# KiCad board microsdmapper.kicad_pcb
title: microSDMapper v1.1; date: 2023-04-21; rev: 1.1; company: The Retro Hacker; note: Original circuit by Luciano Sturaro; note: Reloaded by Cristiano Goncalves; note: microSDMapper v1.1
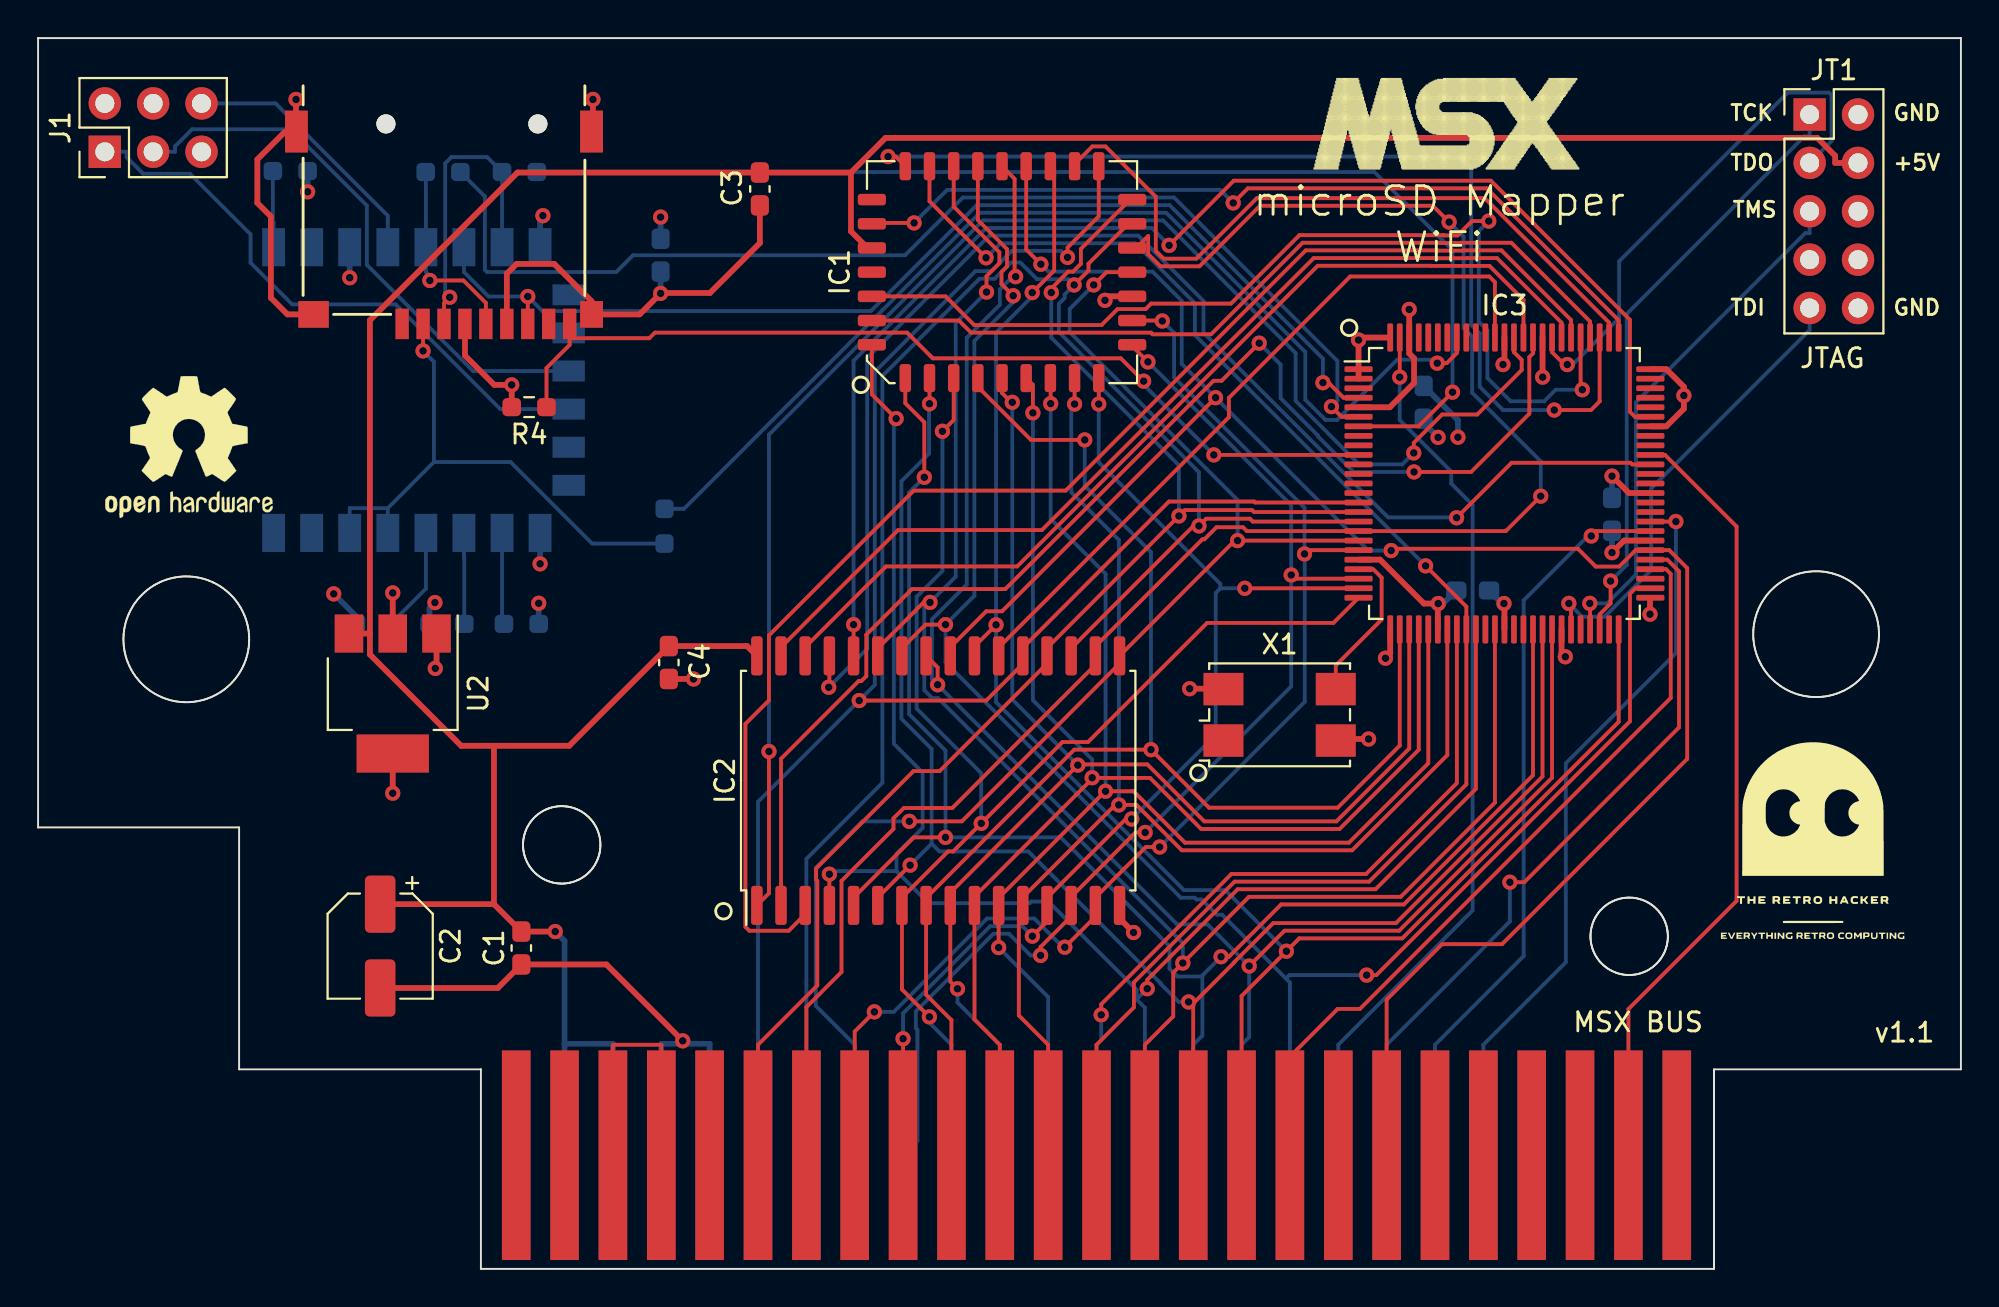
[diagram p0: board, top side]
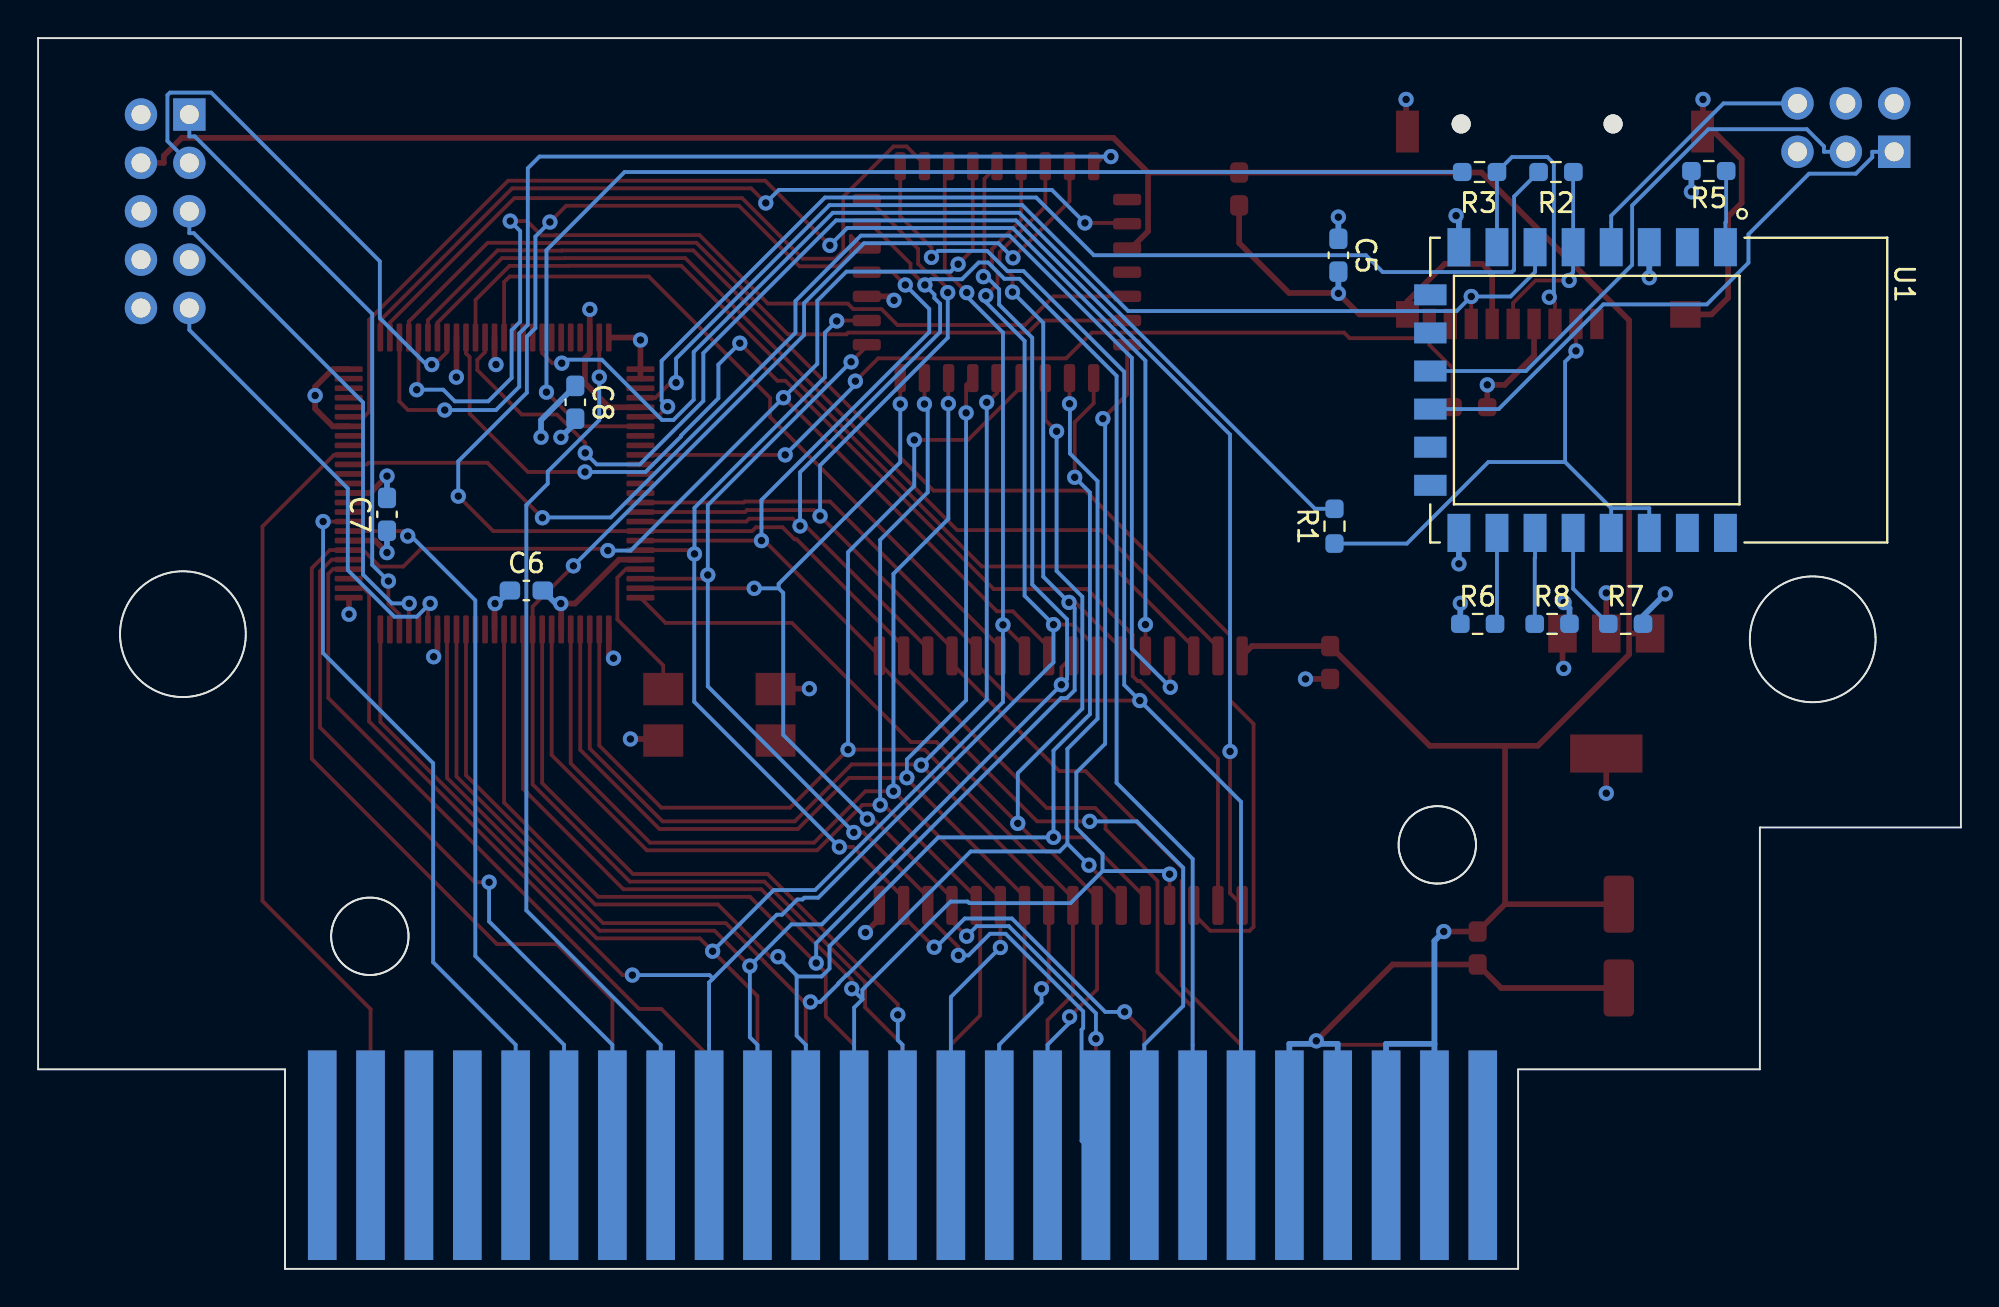
[diagram p1: board, bottom side, seen from below]

Outline 101 x 64.62 mm; copper layers: Top, In1.Cu (plane), In2.Cu (plane), Bottom. Coordinates in mm from the lower left corner of the outline.
Stack: Top 0.035mm / dielectric 0.1mm FR4 er 4.5 / In1.Cu 0.035mm / dielectric 1.24mm FR4 er 4.5 / In2.Cu 0.035mm / dielectric 0.1mm FR4 er 4.5 / Bottom 0.035mm

## Placement (name value [footprint] x y rotation side)
C1  0.1uF  [C_0603_1608Metric_Pad1.08x0.95mm_HandSolder]  25.39 16.85 90 top
C2  100uF  [CP_Elec_5x4.5]  17.97 16.95 270 top
C3  0.1uF  [C_0603_1608Metric_Pad1.08x0.95mm_HandSolder]  37.91 56.7 270 top
C4  0.1uF  [C_0603_1608Metric_Pad1.08x0.95mm_HandSolder]  33.13 31.84 270 top
C5  0.1uF  [C_0603_1608Metric_Pad1.08x0.95mm_HandSolder]  32.7 53.22 270 bottom
C6  0.1uF  [C_0603_1608Metric_Pad1.08x0.95mm_HandSolder]  75.35 35.62 180 bottom
C7  0.1uF  [C_0603_1608Metric_Pad1.08x0.95mm_HandSolder]  82.67 39.62 90 bottom
C8  0.1uF  [C_0603_1608Metric_Pad1.08x0.95mm_HandSolder]  72.78 45.5 270 bottom
GLOGO  LOGO  [TRH]  93.25 22.54 0 top
IC1  M29F010  [PLCC-32_11.4x14.0mm_P1.27mm]  50.63 52.33 90 top
IC2  HM628512  [SSOP-32_11.305x20.495mm_P1.27mm]  47.28 25.64 90 top
IC3  XC95144XL_TQ100  [VQFP-100_14x14mm_P0.5mm]  77.02 41.24 0 top
J1  Conn_02x03_Odd_Even  [PinHeader_2x03_P2.54mm_Vertical]  3.51 58.65 90 top
J2  Micro_SD_Card_Det1  [Conn_uSDcard]  21.32 60.11 180 top
JT1  JTAG1A  [PinHeader_2x05_P2.54mm_Vertical]  93.06 60.61 0 top
LOGO_MSX  -  [LOGO_MSX]  65.95 63.42 0 top
MSX BUS  MSX_SLOT_EDGE-CON  [msx_cartridge]  55.6 5.84 0 top
OSHW  -  [OSHW-Logo2_9.8x8mm_SilkScreen]  7.93 43.16 0 top
R1  1K  [R_0603_1608Metric_Pad0.98x0.95mm_HandSolder]  32.9 38.99 90 bottom
R2  1K  [R_0603_1608Metric_Pad0.98x0.95mm_HandSolder]  21.27 57.59 0 bottom
R3  1K  [R_0603_1608Metric_Pad0.98x0.95mm_HandSolder]  25.28 57.59 0 bottom
R4  4.7K  [R_0603_1608Metric_Pad0.98x0.95mm_HandSolder]  25.79 45.24 180 top
R5  10K  [R_0603_1608Metric_Pad0.98x0.95mm_HandSolder]  13.24 57.64 0 bottom
R6  1K  [R_0603_1608Metric_Pad0.98x0.95mm_HandSolder]  25.38 33.87 180 bottom
R7  10K  [R_0603_1608Metric_Pad0.98x0.95mm_HandSolder]  17.61 33.87 180 bottom
R8  10K  [R_0603_1608Metric_Pad0.98x0.95mm_HandSolder]  21.47 33.87 180 bottom
U1  ESP8266-12E/ESP-12E  [XCVR_ESP8266-12E_ESP-12E]  19.37 46.14 270 bottom
U2  LM1117MP-3.3  [SOT-223-3_TabPin2]  18.63 30.21 270 top
X1  25 Mhz  [Crystal_SMD_7050-4Pin_7.0x5.0mm]  65.21 29.09 0 top

## Library data of the parts
C1 C3-C8 = -: Description: Unpolarized capacitor
C2 = -: Description: Polarized capacitor
J1 = -: Description: Generic connector, double row, 02x03, odd/even pin numbering scheme (row 1 odd numbers, row 2 even numbers), script generated (kicad-library-utils/schlib/autogen/connector/)
J2 = -: Description: Micro SD Card Socket with one card detection pin
MSX BUS = -: Description: MSX-compatible edge-connector for the cartridge slots used in the MSX-standard.; MPN: n/a; Manufacturer: n/a
R1-R8 = -: Description: Resistor
U1 = -: MANUFACTURER: AI-Thinker
U2 = -: Description: 800mA Low-Dropout Linear Regulator, 3.3V fixed output, SOT-223

## Footprints (pads in the part's own frame, mm; a bottom-side part is the same pattern mirrored in y, then rotated)
C_0603_1608Metric_Pad1.08x0.95mm_HandSolder
  rrect 1.075x0.95 smd: 1(-0.863,0) 2(0.863,0)
Conn_uSDcard
  round 1 hole 1 unplated: (-4.93,0) (3.05,0)
  rect 0.7x1.6 smd: 1(2.2,10.5) 2(1.1,10.5) 3(0,10.5) 4(-1.1,10.5) 5(-2.2,10.5) 6(-3.3,10.5) 7(-4.4,10.5) 8(-5.5,10.5) 9(-6.6,10.5)
  rect 1.2x1.4 smd: 6(-7.75,10)
  rect 1.2x2.2 smd: 6(-7.75,0.4) 6(7.75,0.4)
  rect 1.6x1.4 smd: 6(6.85,10)
CP_Elec_5x4.5
  rrect 3x1.6 smd: 1(-2.2,0) 2(2.2,0)
Crystal_SMD_7050-4Pin_7.0x5.0mm
  rect 2.1x1.7 smd: 1(-2.95,-1.35) 2(2.95,-1.35) 3(2.95,1.35) 4(-2.95,1.35)
msx_cartridge
  rect 1.5x11 smd far side: 1(30.48,0.127) 3(27.94,0.127) 5(25.4,0.127) 7(22.86,0.127) 9(20.32,0.127) 11(17.78,0.127) 13(15.24,0.127) 15(12.7,0.127) 17(10.16,0.127) 19(7.62,0.127) 21(5.08,0.127) 23(2.54,0.127) 25(0,0.127) 27(-2.54,0.127) 29(-5.08,0.127) 31(-7.62,0.127) 33(-10.16,0.127) 35(-12.7,0.127) 37(-15.24,0.127) 39(-17.78,0.127) 41(-20.32,0.127) 43(-22.86,0.127) 45(-25.4,0.127) 47(-27.94,0.127) 49(-30.48,0.127)
  rect 1.5x11 smd: 2(30.48,0.127) 4(27.94,0.127) 6(25.4,0.127) 8(22.86,0.127) 10(20.32,0.127) 12(17.78,0.127) 14(15.24,0.127) 16(12.7,0.127) 18(10.16,0.127) 20(7.62,0.127) 22(5.08,0.127) 24(2.54,0.127) 26(0,0.127) 28(-2.54,0.127) 30(-5.08,0.127) 32(-7.62,0.127) 34(-10.16,0.127) 36(-12.7,0.127) 38(-15.24,0.127) 40(-17.78,0.127) 42(-20.32,0.127) 44(-22.86,0.127) 46(-25.4,0.127) 48(-27.94,0.127) 50(-30.48,0.127)
PinHeader_2x03_P2.54mm_Vertical
  rect 1.7x1.7 hole 1: 1(0,0)
  oval 1.7x1.7 hole 1: 2(2.54,0) 3(0,-2.54) 4(2.54,-2.54) 5(0,-5.08) 6(2.54,-5.08)
PinHeader_2x05_P2.54mm_Vertical
  rect 1.7x1.7 hole 1: 1(0,0)
  oval 1.7x1.7 hole 1: 2(2.54,0) 3(0,-2.54) 4(2.54,-2.54) 5(0,-5.08) 6(2.54,-5.08) 7(0,-7.62) 8(2.54,-7.62) 9(0,-10.16) 10(2.54,-10.16)
PLCC-32_11.4x14.0mm_P1.27mm
  rrect 0.6x1.475 smd: 1(0,6.838) 2(-1.27,6.838) 3(-2.54,6.838) 4(-3.81,6.838) 14(-3.81,-6.838) 15(-2.54,-6.838) 16(-1.27,-6.838) 17(0,-6.838) 18(1.27,-6.838) 19(2.54,-6.838) 20(3.81,-6.838) 30(3.81,6.838) 31(2.54,6.838) 32(1.27,6.838)
  rrect 1.475x0.6 smd: 5(-5.562,5.08) 6(-5.562,3.81) 7(-5.562,2.54) 8(-5.562,1.27) 9(-5.562,0) 10(-5.562,-1.27) 11(-5.562,-2.54) 12(-5.562,-3.81) 13(-5.562,-5.08) 21(5.562,-5.08) 22(5.562,-3.81) 23(5.562,-2.54) 24(5.562,-1.27) 25(5.562,0) 26(5.562,1.27) 27(5.562,2.54) 28(5.562,3.81) 29(5.562,5.08)
R_0603_1608Metric_Pad0.98x0.95mm_HandSolder
  rrect 0.975x0.95 smd: 1(-0.912,0) 2(0.912,0)
SOT-223-3_TabPin2
  rect 2x1.5 smd: 1(-3.15,2.3) 2(-3.15,0) 3(-3.15,-2.3)
  rect 2x3.8 smd: 2(3.15,0)
SSOP-32_11.305x20.495mm_P1.27mm
  rrect 2.05x0.6 smd: 1(-6.55,9.525) 2(-6.55,8.255) 3(-6.55,6.985) 4(-6.55,5.715) 5(-6.55,4.445) 6(-6.55,3.175) 7(-6.55,1.905) 8(-6.55,0.635) 9(-6.55,-0.635) 10(-6.55,-1.905) 11(-6.55,-3.175) 12(-6.55,-4.445) 13(-6.55,-5.715) 14(-6.55,-6.985) 15(-6.55,-8.255) 16(-6.55,-9.525) 17(6.55,-9.525) 18(6.55,-8.255) 19(6.55,-6.985) 20(6.55,-5.715) 21(6.55,-4.445) 22(6.55,-3.175) 23(6.55,-1.905) 24(6.55,-0.635) 25(6.55,0.635) 26(6.55,1.905) 27(6.55,3.175) 28(6.55,4.445) 29(6.55,5.715) 30(6.55,6.985) 31(6.55,8.255) 32(6.55,9.525)
VQFP-100_14x14mm_P0.5mm
  rrect 1.475x0.3 smd: 1(-7.662,6) 2(-7.662,5.5) 3(-7.662,5) 4(-7.662,4.5) 5(-7.662,4) 6(-7.662,3.5) 7(-7.662,3) 8(-7.662,2.5) 9(-7.662,2) 10(-7.662,1.5) 11(-7.662,1) 12(-7.662,0.5) 13(-7.662,0) 14(-7.662,-0.5) 15(-7.662,-1) 16(-7.662,-1.5) 17(-7.662,-2) 18(-7.662,-2.5) 19(-7.662,-3) 20(-7.662,-3.5) 21(-7.662,-4) 22(-7.662,-4.5) 23(-7.662,-5) 24(-7.662,-5.5) 25(-7.662,-6) 51(7.662,-6) 52(7.662,-5.5) 53(7.662,-5) 54(7.662,-4.5) 55(7.662,-4) 56(7.662,-3.5) 57(7.662,-3) 58(7.662,-2.5) 59(7.662,-2) 60(7.662,-1.5) 61(7.662,-1) 62(7.662,-0.5) 63(7.662,0) 64(7.662,0.5) 65(7.662,1) 66(7.662,1.5) 67(7.662,2) 68(7.662,2.5) 69(7.662,3) 70(7.662,3.5) 71(7.662,4) 72(7.662,4.5) 73(7.662,5) 74(7.662,5.5) 75(7.662,6)
  rrect 0.3x1.475 smd: 26(-6,-7.662) 27(-5.5,-7.662) 28(-5,-7.662) 29(-4.5,-7.662) 30(-4,-7.662) 31(-3.5,-7.662) 32(-3,-7.662) 33(-2.5,-7.662) 34(-2,-7.662) 35(-1.5,-7.662) 36(-1,-7.662) 37(-0.5,-7.662) 38(0,-7.662) 39(0.5,-7.662) 40(1,-7.662) 41(1.5,-7.662) 42(2,-7.662) 43(2.5,-7.662) 44(3,-7.662) 45(3.5,-7.662) 46(4,-7.662) 47(4.5,-7.662) 48(5,-7.662) 49(5.5,-7.662) 50(6,-7.662) 76(6,7.662) 77(5.5,7.662) 78(5,7.662) 79(4.5,7.662) 80(4,7.662) 81(3.5,7.662) 82(3,7.662) 83(2.5,7.662) 84(2,7.662) 85(1.5,7.662) 86(1,7.662) 87(0.5,7.662) 88(0,7.662) 89(-0.5,7.662) 90(-1,7.662) 91(-1.5,7.662) 92(-2,7.662) 93(-2.5,7.662) 94(-3,7.662) 95(-3.5,7.662) 96(-4,7.662) 97(-4.5,7.662) 98(-5,7.662) 99(-5.5,7.662) 100(-6,7.662)
XCVR_ESP8266-12E_ESP-12E
  rect 2x1.2 smd: 1(-7.5,7) 2(-7.5,5) 3(-7.5,3) 4(-7.5,1) 5(-7.5,-1) 6(-7.5,-3) 7(-7.5,-5) 8(-7.5,-7) 15(7.5,-7) 16(7.5,-5) 17(7.5,-3) 18(7.5,-1) 19(7.5,1) 20(7.5,3) 21(7.5,5) 22(7.5,7)
  rect 1.1x1.7 smd: 9(-5,-8.5) 10(-3,-8.5) 11(-1,-8.5) 12(1,-8.5) 13(3,-8.5) 14(5,-8.5)

## Nets
+3.3V: C5.1 C6.1 C7.1 C8.1 IC3.5 IC3.26 IC3.38 IC3.51 IC3.57 IC3.88 IC3.98 J1.2 J2.4 R4.2 R5.2 R7.2 R8.2 U1.3 U1.8 U2.2 X1.4
+5V: C1.2 C2.1 C3.1 C4.1 IC1.32 IC2.32 JT1.4 MSX BUS.45 MSX BUS.47 U2.3
GND: C1.1 C2.2 C3.2 C4.2 C5.2 C6.2 C7.2 C8.2 IC1.16 IC2.16 IC3.1 IC3.2 IC3.21 IC3.31 IC3.44 IC3.62 IC3.69 IC3.75 IC3.84 IC3.100 J1.4 J2.6 JT1.2 JT1.10 MSX BUS.41 MSX BUS.43 R6.1 U1.15 U2.1 X1.2
/MSX_A0: IC1.12 IC2.12 IC3.32 MSX BUS.28
/MSX_A1: IC1.11 IC2.11 IC3.30 MSX BUS.27
/MSX_A2: IC1.10 IC2.10 IC3.29 MSX BUS.30
/MSX_A3: IC1.9 IC2.9 IC3.28 MSX BUS.29
/MSX_A4: IC1.8 IC2.8 IC3.27 MSX BUS.32
/MSX_A5: IC1.7 IC2.7 IC3.25 MSX BUS.31
/MSX_A6: IC1.6 IC2.6 IC3.42 MSX BUS.22
/MSX_A7: IC1.5 IC2.5 IC3.41 MSX BUS.21
/MSX_A8: IC1.27 IC2.27 IC3.37 MSX BUS.24
/MSX_A9: IC1.26 IC2.26 IC3.52 MSX BUS.17
/MSX_A10: IC1.23 IC2.23 IC3.50 MSX BUS.20
/MSX_A11: IC1.25 IC2.25 IC3.43 MSX BUS.19
/MSX_A12: IC1.4 IC2.4 IC3.35 MSX BUS.23
/MSX_A13: IC1.28 IC3.34 MSX BUS.26
/MSX_A14: IC3.33 MSX BUS.25
/MSX_A15: IC3.54 MSX BUS.18
/MSX_D0: IC1.13 IC2.13 IC3.24 MSX BUS.34
/MSX_D1: IC1.14 IC2.14 IC3.23 MSX BUS.33
/MSX_D2: IC1.15 IC2.15 IC3.20 MSX BUS.36
/MSX_D3: IC1.17 IC2.17 IC3.19 MSX BUS.35
/MSX_D4: IC1.18 IC2.18 IC3.18 MSX BUS.38
/MSX_D5: IC1.19 IC2.19 IC3.17 MSX BUS.37
/MSX_D6: IC1.20 IC2.20 IC3.16 MSX BUS.40
/MSX_D7: IC1.21 IC2.21 IC3.15 MSX BUS.39
/MSX_IORQ: IC3.58 MSX BUS.11
/MSX_M1: IC3.59 MSX BUS.9
/MSX_RD: IC1.24 IC2.24 IC3.56 MSX BUS.14
/MSX_RESET: IC3.99 MSX BUS.15
/MSX_SLTSL: IC3.66 MSX BUS.4
/MSX_WR: IC3.55 MSX BUS.13
/RAM_A13: IC2.28 IC3.70
/RAM_A14: IC2.3 IC3.81
/RAM_A15: IC2.31 IC3.82
/RAM_A16: IC2.2 IC3.85
/RAM_A17: IC2.30 IC3.86
/RAM_A18: IC2.1 IC3.87
/RAM_CS: IC2.22 IC3.89
/RAM_WE: IC2.29 IC3.65
/ROM_A14: IC1.29 IC3.78
/ROM_A15: IC1.3 IC3.79
/ROM_A16: IC1.2 IC3.80
/ROM_CS: IC1.22 IC3.77
/ROM_WE: IC1.31 IC3.76
/SD_CD0: IC3.10 J2.9 R4.1
/SD_CS0: IC3.93 R1.2
/SD_MISO: IC3.4 J2.7 U1.6
/SD_MOSI: IC3.7 R3.2
/SD_SCLK: IC3.6 R2.2
Net-(BUS1-SW1): MSX BUS.44 MSX BUS.46
Net-(IC3-PB00_16/GCK1): IC3.22 X1.3
Net-(IC3-TCK): IC3.48 JT1.1
Net-(IC3-TDI): IC3.45 JT1.9
Net-(IC3-TDO): IC3.83 JT1.3
Net-(IC3-TMS): IC3.47 JT1.5
Net-(J1-Pin_1): J1.1 U1.12
Net-(J1-Pin_3): J1.3 U1.11
Net-(J1-Pin_6): J1.6 U1.4
Net-(J2-CLK): J2.5 R2.1 U1.5
Net-(J2-CMD): J2.3 R3.1 U1.7
Net-(J2-DAT3/CD): J2.2 R1.1 U1.19 U1.20
Net-(U1-IO0): R7.1 U1.18
Net-(U1-IO2): R8.1 U1.17
Net-(U1-IO15): R6.2 U1.16
Net-(U1-RESET): R5.1 U1.1

Pads without a net: IC1 1 30; IC3 3 8 9 11 12 13 14 36 39 40 46 49 53 60 61 63 64 67 68 71 72 73 74 90 91 92 94 95 96 97; J1 5; J2 1 8; JT1 6 7 8; MSX BUS 1 2 3 5 6 7 8 10 12 16 42 48 49 50; U1 2 9 10 13 14 21 22; X1 1

## Via types
v1: diameter 0.8, hole 0.4, Top to Bottom, 135 vias

## Routing (per net, layer and track width the routed paths; a pad name or vN(x,y) marks a point on that pad's centre or on a via; arc(x,y) is an arc through that point)
+3.3V: length 41.3
  Top w0.3: X1.4 62.24,30.46 v1(60.49,30.46) ; v1(18.63,35.49) U2.2 ; v1(76.95,47.48) 77.02,47.55 IC3.88 ; U2.2 v1(18.63,24.98) ; IC3.5 71,45.24 72.27,46.51 72.27,47.81 72.02,48.06 IC3.98 72.02,50.37 v1(72.02,50.38) ; IC3.26 71.02,32.31 v1(70.77,32.06) ; v1(82.67,37.61) 83.3,38.24 IC3.57 ; 77,34.83 77.02,34.81 IC3.38 ; IC3.51 84.67,35.22 v1(84.67,34.37) ; R4.2 24.88,46.41 v1(24.88,46.41) 23.96,46.41 22.42,47.95 J2.4
  Bottom w0.3: v1(14.16,56.55) R5.2 ; v1(74.58,43.67) 74.58,44.56 C8.1 ; C6.1 76.22,35.61 77,34.83 ; v1(20.85,34.98) 20.56,34.7 R8.2 ; v1(15.53,35.44) 16.7,34.27 R7.2 ; v1(16.37,52.04) U1.3 ; C7.1 v1(82.67,37.61) ; v1(32.7,55.22) C5.1 ; U1.8 26.37,54.99 26.52,55.14 v1(26.52,55.3)
  vias: v1(77,34.93)
+5V: length 169.2
  Top w0.3: 17.43,33.36 17.43,49.8 25.19,57.56 C3.1 42.7,57.56 ; 17.43,33.36 17.43,32.26 22.22,27.46 23.95,27.46 ; 17.43,33.36 U2.3 ; 42.7,57.56 44.52,59.38 93.46,59.38 94.4,58.44 94.4,58.07 JT1.4 ; 42.7,57.56 42.7,54.47 43.57,53.6 IC1.32 ; 23.95,27.46 23.95,19.15 ; 23.95,27.46 27.9,27.46 C4.1 37.24,32.7 IC2.32 ; v1(27.16,17.71) 25.39,17.71 C1.2 23.95,19.15 ; 23.95,19.15 C2.1
  Bottom w0.3: 27.66,11.82 27.66,17.22 v1(27.16,17.71) ; 27.66,11.82 30.2,11.82 MSX BUS.45 ; 27.66,11.82 MSX BUS.47
GND: length 107.3
  Top w0.3: C2.2 24.15,14.75 C1.1 29.85,15.98 v1(33.86,11.97) ; X1.2 68.24,27.82 v1(69.89,27.82) ; IC1.16 56.25,51.06 v1(56.04,50.85) ; v1(57.54,17.66) 56.81,18.4 IC2.16 ; IC3.2 IC3.1 v1(69.36,48.77) ; IC3.44 80.02,32.34 v1(80.22,32.14) ; IC3.69 85.52,44.24 86.45,45.16 v1(86.45,45.85) 86.45,46.31 85.52,47.24 IC3.75 ; IC3.21 70.49,37.24 72.79,34.93 v1(73.54,34.93) 73.52,34.91 IC3.31 ; IC3.62 83.56,40.74 v1(82.67,41.62) ; C3.2 37.91,53.86 35.29,51.24 32.72,51.24 v1(32.7,51.22) 31.6,50.11 J2.6 29.07,50.8 27.11,52.76 25.13,52.76 24.62,52.25 J2.6 ; v1(29.14,61.4) 29.14,59.79 J2.6 ; J2.6 13.1,50.11 12.23,50.98 12.23,55.25 11.52,55.96 11.52,58.25 12.98,59.71 J2.6 13.55,59.74 v1(13.55,61.4) ; C4.2 34.42,30.97 v1(34.43,30.97) ; U2.1 20.93,31.59 v1(20.86,31.53) ; IC3.100 69.23,48.9 ; v1(79.03,46.82) 79.02,46.83 IC3.84
  Bottom w0.3: v1(73.54,43.66) 72.78,44.41 C8.2 ; C6.2 73.81,34.93 v1(73.54,34.93) ; C5.2 v1(32.7,51.22) ; 33.86,11.82 32.74,11.82 MSX BUS.43 ; 33.86,11.82 35.28,11.82 MSX BUS.41 ; 33.86,11.82 v1(33.86,11.97) ; C7.2 v1(82.67,41.62) ; v1(26.3,34.95) R6.1 ; v1(26.37,37.02) U1.15
/MSX_A0: length 71.7
  Top w0.2: MSX BUS.28 53.06,11.77 51.52,13.31 51.52,18.88 IC2.12 51.73,19.51 56.58,24.36 v1(56.77,24.36) 57.69,24.36 60.08,21.98 69.02,21.98 74.02,26.98 IC3.32 ; v1(54.44,45.41) IC1.12
  Bottom w0.2: v1(54.44,45.41) 54.27,45.23 54.27,40.77 56.77,38.27 56.77,24.36 v1(56.77,24.36)
/MSX_A1: length 72.2
  Top w0.2: IC3.30 73.02,26.54 68.86,22.38 60.24,22.38 57.54,25.08 v1(56.07,25.08) 56.05,25.08 50.46,19.48 IC2.11 v1(50.46,16.87) ; IC1.11 53.19,46.75 v1(53.19,45.43)
  Bottom w0.2: v1(56.07,25.08) 56.07,36.49 53.19,39.38 v1(53.19,45.43) ; v1(50.46,16.87) 53.06,14.27 MSX BUS.27
/MSX_A2: length 71.7
  Top w0.2: v1(55.37,25.79) 55.39,25.76 ; 55.39,25.76 55.41,25.78 58.41,25.78 61.09,23.1 68.36,23.1 72.52,27.26 IC3.29 ; 55.39,25.76 49.19,19.55 IC2.10 49.19,13.1 50.52,11.77 MSX BUS.30 ; v1(52.25,44.94) 52.25,46.42 IC1.10
  Bottom w0.2: v1(55.37,25.79) 55.37,26.75 52.25,29.86 v1(52.25,44.94)
/MSX_A3: length 72.9
  Top w0.2: v1(48.29,14.71) 47.92,15.09 IC2.9 47.92,19.75 v1(54.61,26.45) 54.65,26.49 58.26,26.49 61.26,23.5 68.2,23.5 72.02,27.32 IC3.28 ; IC1.9 50.63,45.98 51.15,45.47 v1(51.17,45.5)
  Bottom w0.2: MSX BUS.29 50.52,11.77 48.29,13.99 v1(48.29,14.71) ; v1(51.17,45.5) 51.17,29.89 v1(54.61,26.45)
/MSX_A4: length 75.8
  Top w0.2: MSX BUS.32 47.98,13.06 46.65,14.39 IC2.8 46.65,19.48 54.43,27.26 v1(58.46,27.26) 61.5,24.21 68.26,24.21 71.52,27.48 IC3.27 ; v1(54.98,43.52) 52.15,43.52 49.36,46.31 IC1.8
  Bottom w0.2: v1(54.98,43.52) 54.98,41.11 58.46,37.63 v1(58.46,27.26)
/MSX_A5: length 70.7
  Top w0.2: IC1.7 48.09,44.57 v1(47.5,43.98) ; IC3.25 68.04,33.92 61.4,33.92 55.15,27.66 53.81,27.66 v1(49.54,23.39) 48.06,21.92 47.8,21.92 45.38,19.5 IC2.7 45.38,14.67 v1(46.82,13.23)
  Bottom w0.2: v1(46.82,13.23) 46.82,12.92 47.98,11.77 MSX BUS.31 ; v1(47.5,43.98) 47.5,36.64 46.15,35.29 46.15,29.42 49.54,26.03 v1(49.54,23.39)
/MSX_A6: length 86.4
  Top w0.2: v1(46.82,45.42) IC1.6 ; 60.68,14.02 v1(60.43,14.02) ; 60.68,14.02 MSX BUS.22 ; 60.68,14.02 60.75,14.02 62.84,16.1 62.84,16.11 64.88,18.16 71.33,18.16 79.02,25.85 IC3.42 ; v1(45.8,21.2) 44.11,19.5 IC2.6
  Bottom w0.2: 46.93,22.33 46.93,27.3 45.35,28.88 45.35,41.36 46.8,42.81 46.8,45.4 v1(46.82,45.42) ; 46.93,22.33 47.35,21.92 52.01,21.92 58.52,15.41 58.55,15.41 58.96,15 58.96,14.97 59.92,14.02 v1(60.43,14.02) ; 46.93,22.33 v1(45.8,21.2)
/MSX_A7: length 88.4
  Top w0.2: v1(47.66,22.66) 46,22.66 42.84,19.49 IC2.5 ; v1(62.14,16.39) 62.55,16.39 65.29,19.13 71.74,19.13 78.52,25.92 IC3.41 ; v1(46.55,41.56) 46.55,44.45 45.55,45.45 IC1.5
  Bottom w0.2: v1(62.14,16.39) 61.16,15.41 61.16,15.35 ; 61.16,15.35 59.85,15.35 59.43,15.77 59.43,16.94 53.71,22.66 v1(47.66,22.66) 47.66,27.21 45.75,29.13 45.75,40.76 v1(46.55,41.56) ; 61.16,15.35 61.16,12.25 60.68,11.77 MSX BUS.21
/MSX_A8: length 94.3
  Top w0.2: IC2.27 44.11,32.58 46.51,34.99 v1(46.85,34.99) ; v1(49.82,51.28) 49.82,52.12 50.49,52.8 50.49,53.38 48.09,55.77 IC1.27 ; IC3.37 76.52,24.48 71.57,19.53 63.6,19.53 v1(60.13,16.06) 59.62,15.55 59.62,13.26 58.14,11.77 MSX BUS.24
  Bottom w0.2: v1(60.13,16.06) 60.13,17.1 47.26,29.97 46.96,29.97 46.55,30.38 46.55,34.69 v1(46.85,34.99) 48.2,36.34 48.2,49.67 v1(49.82,51.28)
/MSX_A9: length 97.4
  Top w0.2: IC1.26 49.36,55.07 50.89,53.54 50.89,52.63 50.6,52.34 50.6,51.71 v1(51.22,51.09) ; IC2.26 45.38,32.59 46.61,33.83 v1(47.66,33.83) ; v1(69.78,15.42) 70.29,15.42 83.62,28.75 83.62,35.45 83.9,35.74 IC3.52
  Bottom w0.2: v1(51.22,51.09) 51.22,50.76 49.18,48.72 49.18,35.34 v1(47.66,33.83) 47.66,31.84 60.02,19.49 60.75,19.49 60.85,19.4 61.12,19.4 61.92,18.6 62.2,18.6 65.55,15.24 ; MSX BUS.17 65.76,15.04 65.55,15.24 ; v1(69.78,15.42) 65.73,15.42 65.55,15.24
/MSX_A10: length 91.2
  Top w0.2: IC3.50 83.02,28.72 71.66,17.36 66.25,17.36 v1(65.57,16.68) 63.22,14.33 MSX BUS.20 ; v1(50.32,33.81) 49.19,32.68 IC2.23 ; v1(52.22,51.26) 53.37,52.41 53.37,57.69 IC1.23
  Bottom w0.2: 50.32,33.81 50.32,49.15 52.22,51.06 v1(52.22,51.26) ; 50.32,33.81 v1(50.32,33.81) ; 50.32,33.81 50.32,29.76 60.19,19.89 62.36,19.89 v1(65.57,16.68)
/MSX_A11: length 91.7
  Top w0.2: IC1.25 51.29,57.23 51.29,52.15 v1(51.35,52.09) ; v1(63.61,15.9) 65.47,17.76 71.49,17.76 79.52,25.79 IC3.43 ; IC2.25 47.25,31.58 v1(47.25,30.67)
  Bottom w0.2: v1(51.35,52.09) 51.18,52.09 50.52,51.43 50.52,50.62 48.78,48.89 48.78,35.93 46.95,34.1 46.95,30.97 v1(47.25,30.67) 59.83,18.09 61.43,18.09 63.61,15.9 v1(63.61,15.9) 63.61,12.16 63.22,11.77 MSX BUS.19
/MSX_A12: length 89.8
  Top w0.2: v1(58.26,14.71) 58.26,15.18 63.01,19.93 70.25,19.93 75.52,25.2 IC3.35 ; v1(45.07,44.64) 43.8,45.92 IC1.4 ; v1(41.57,20.72) IC2.4
  Bottom w0.2: v1(41.57,20.72) 41.73,20.88 45.09,20.88 ; 57.7,14.15 58.14,13.72 MSX BUS.23 ; 57.7,14.15 v1(58.26,14.71) ; 57.7,14.15 57.7,14.66 53.07,19.29 52.17,19.29 52.09,19.2 46.77,19.2 45.09,20.88 ; 45.09,20.88 45.09,21.78 46.46,23.16 46.46,26.06 44.95,27.57 44.95,44.52 v1(45.07,44.64)
/MSX_A13: length 81.5
  Top w0.2: v1(72.88,36.91) 75.02,34.77 IC3.34 75.02,25.44 69.92,20.33 62.85,20.33 57.56,15.05 57.56,13.73 55.6,11.77 MSX BUS.26 ; IC1.28 46.82,56.05 v1(49.79,53.09)
  Bottom w0.2: v1(49.79,53.09) 50.56,53.85 57.62,53.85 60.76,50.7 60.76,49.03 v1(72.88,36.91)
/MSX_A14: length 39.6
  Top w0.2: v1(55.84,13.34) 55.84,13.89 62.68,20.73 69.75,20.73 74.52,25.5 IC3.33
  Bottom w0.2: v1(55.84,13.34) 55.84,12.01 55.6,11.77 MSX BUS.25
/MSX_A15: length 40.7
  Top w0.2: IC3.54 85.51,36.74 85.76,36.49 85.76,29.98 69.43,13.65 68.26,13.65 65.76,11.14 MSX BUS.18
/MSX_D0: length 59.8
  Top w0.2: MSX BUS.34 v1(45.44,12.08) ; v1(52.23,17.47) 53,18.24 IC2.13 53,19.48 57.13,23.62 v1(57.44,23.62) ; v1(63.38,35.73) 69.36,35.73 IC3.24 ; v1(55.71,45.41) IC1.13
  Bottom w0.2: v1(45.44,12.08) 45.44,13.42 50.01,18 51.7,18 v1(52.23,17.47) ; 62.1,35.73 61.86,35.49 61.86,28.04 v1(57.44,23.62) ; 62.1,35.73 v1(63.38,35.73) ; 62.1,35.73 62.1,35.96 55.71,42.35 v1(55.71,45.41)
/MSX_D1: length 61.5
  Top w0.2: v1(58.15,22.91) 57.64,22.91 54.27,19.54 IC2.14 54.27,18.51 52.66,16.9 v1(52.66,16.46) ; v1(58.3,47.62) 57.47,48.45 IC1.14 ; IC3.23 66.02,36.24 v1(65.82,36.43)
  Bottom w0.2: v1(58.15,22.91) 65.82,30.59 v1(65.82,36.43) 65.82,40.09 v1(58.3,47.62) ; v1(52.66,16.46) 52.13,16.46 50.99,17.6 50.18,17.6 46.1,13.52 46.1,12.64 46.19,12.56 46.19,6.72 MSX BUS.33
/MSX_D2: length 66.7
  Top w0.2: v1(58.91,22.15) 58.19,22.15 55.54,19.49 IC2.15 55.54,18.49 v1(53.93,16.89) ; v1(59.05,49.77) 59.03,49.79 IC1.15 ; v1(66.52,37.54) 66.72,37.74 IC3.20 ; v1(43.93,13.49) 42.9,12.46 MSX BUS.36
  Bottom w0.2: v1(59.05,49.77) 59.67,49.15 59.67,46.81 66.52,39.96 v1(66.52,37.54) 66.53,37.53 66.53,29.77 v1(58.91,22.15) ; v1(53.93,16.89) 53.83,16.89 52.33,18.4 49.85,18.4 44.95,13.49 v1(43.93,13.49)
/MSX_D3: length 71.7
  Top w0.2: v1(45.76,23.5) 48.52,23.5 56.81,31.78 IC2.17 62.86,38.24 v1(63,38.24) IC3.19 ; IC1.17 56.12,52.33 v1(55.45,51.66)
  Bottom w0.2: MSX BUS.35 42.9,11.77 40.85,13.81 40.85,21.06 43.29,23.5 v1(45.76,23.5) ; v1(55.45,51.66) 54.19,50.4 54.19,49.18 63,40.37 v1(63,38.24)
/MSX_D4: length 97.5
  Top w0.2: MSX BUS.38 40.36,13.74 42.2,15.59 42.2,20.37 44.93,23.1 44.93,23.65 45.47,24.2 48.02,24.2 55.54,31.71 IC2.18 55.54,32.68 61.16,38.31 61.27,38.31 61.9,38.94 63.29,38.94 63.49,38.74 IC3.18 77.09,38.74 v1(78.93,40.57) ; IC1.18 57.68,53.6 58.31,54.23 58.31,53.28 58.95,52.64 61,52.64 64.18,55.82 73.26,55.82 v1(74.12,54.96)
  Bottom w0.2: v1(74.12,54.96) 74.88,54.2 74.88,49.4 75.33,48.95 75.33,46 78.93,42.4 v1(78.93,40.57)
/MSX_D5: length 94.6
  Top w0.2: IC2.19 54.27,32.58 60.69,39.01 v1(60.98,39.01) 61.36,39.39 63.65,39.39 63.8,39.24 IC3.17 ; v1(54.42,51.66) 55.17,52.41 55.17,52.78 57.27,54.87 IC1.19
  Bottom w0.2: MSX BUS.37 40.36,21.53 44.35,25.52 44.35,46.88 49.45,51.98 50.25,51.98 51.1,52.84 51.59,52.84 52.47,51.96 54.12,51.96 v1(54.42,51.66) 53.92,51.16 53.92,50.97 53.62,50.67 53.62,49.18 60.98,41.83 v1(60.98,39.01)
/MSX_D6: length 74.5
  Top w0.2: IC3.16 63.87,39.74 63.77,39.84 60.23,39.84 v1(59.92,39.53) 53,32.6 IC2.20 53,31.77 47.36,26.14 45.98,26.14 40.87,21.02 40.87,20.43 40.93,20.37 40.93,14.88 37.82,11.77 MSX BUS.40 ; IC1.20 57.36,56.14 54.77,53.55 54.77,52.77 54.36,52.36 54.11,52.36 53.22,51.47 v1(53.22,51.26)
  Bottom w0.2: v1(59.92,39.53) 59.92,42.18 53.22,48.89 v1(53.22,51.26)
/MSX_D7: length 93.1
  Top w0.2: IC3.15 63.93,40.24 63.88,40.29 59.4,40.29 51.73,32.61 IC2.21 51.73,31.76 49.8,29.84 v1(43.13,29.84) ; IC1.21 55.71,55.26 54.07,53.62 v1(54.07,53.11)
  Bottom w0.2: MSX BUS.39 37.82,24.52 v1(43.13,29.84) 43.95,30.66 43.95,47.1 49.24,52.38 50.08,52.38 51.15,53.45 53.73,53.45 v1(54.07,53.11)
/MSX_IORQ: length 39.2
  Top w0.2: v1(81.58,38.48) 81.84,38.74 IC3.58
  Bottom w0.2: MSX BUS.11 73.38,11.77 78.03,16.43 78.03,35.1 81.41,38.48 v1(81.58,38.48)
/MSX_M1: length 38.8
  Top w0.2: v1(86.03,39.24) IC3.59
  Bottom w0.2: MSX BUS.9 75.92,11.77 80.25,16.1 80.25,26.55 86.04,32.34 86.04,37.41 86.03,37.42 v1(86.03,39.24)
/MSX_RD: length 107.8
  Top w0.2: v1(61.85,45.74) 50.63,34.52 49.8,34.52 47.92,32.64 IC2.24 ; v1(52.67,52.75) 51.9,53.52 IC1.24 ; MSX BUS.14 70.84,14.14 73.75,17.05 76.9,17.05 86.62,26.78 86.62,36.79 85.68,37.74 IC3.56 83.91,37.74 83.05,36.87 81.82,36.87 80.88,37.81 71.17,37.81 v1(71.07,37.71)
  Bottom w0.2: v1(71.07,37.71) 69.88,37.71 v1(61.85,45.74) 60.07,47.52 60.07,50.83 58.54,52.36 53.06,52.36 v1(52.67,52.75)
/MSX_RESET: length 47.4
  Top w0.2: v1(71.52,46.82) IC3.99
  Bottom w0.2: MSX BUS.15 68.3,11.77 75.35,18.82 75.35,40.1 74.23,41.23 74.23,41.86 71.52,44.57 v1(71.52,46.82)
/MSX_SLTSL: length 41.5
  Top w0.2: MSX BUS.4 83.54,13.64 89.22,19.32 89.22,38.98 85.45,42.74 IC3.66
/MSX_WR: length 39.2
  Top w0.2: v1(77.31,20.3) 78.07,20.3 86.19,28.43 86.19,36.62 85.58,37.24 IC3.55
  Bottom w0.2: MSX BUS.13 70.84,11.77 77.31,18.24 v1(77.31,20.3)
/RAM_A13: length 70
  Top w0.2: v1(42.84,33.83) IC2.28 ; v1(59.41,53.74) 62.8,57.13 76.31,57.13 83.61,49.83 83.61,45 83.88,44.74 IC3.70
  Bottom w0.2: v1(42.84,33.83) 42.84,47.68 49.8,54.65 58.5,54.65 v1(59.41,53.74)
/RAM_A14: length 72.8
  Top w0.2: IC3.81 80.52,49.82 76.86,53.47 74.91,53.47 74.89,53.46 73.49,53.46 73.48,53.47 66.58,53.47 53.97,40.86 45.99,40.86 38.39,33.26 38.39,29.85 37.15,28.61 37.15,17.96 37.36,17.75 39.43,17.75 40.3,18.62 IC2.3
/RAM_A15: length 52.1
  Top w0.2: IC2.31 39.03,32.64 45.17,38.79 52.72,38.79 67,53.07 73.32,53.07 73.33,53.06 75.06,53.06 75.07,53.07 76.63,53.07 80.02,49.68 IC3.82
/RAM_A16: length 66.5
  Top w0.2: v1(64.14,48.6) 62.17,46.63 61.74,46.63 50.81,35.69 45.9,35.69 43.5,33.3 43.5,31.12 43.24,30.86 43.1,30.86 39.03,26.79 IC2.2 ; v1(72.27,41.84) 75.27,41.84 78.33,44.9 78.33,47.87 78.52,48.06 IC3.85
  Bottom w0.2: v1(72.27,41.84) 69.09,41.84 67.23,43.71 67.23,43.75 65.27,45.71 65.27,47.48 v1(64.14,48.6)
/RAM_A17: length 49.2
  Top w0.2: IC3.86 78.02,50.87 76.24,52.66 73.16,52.66 73.16,52.67 67.22,52.67 51.43,36.88 44.53,36.88 40.3,32.64 IC2.30
/RAM_A18: length 80.2
  Top w0.2: IC2.1 38.39,19.72 v1(38.39,27.17) ; v1(72.26,42.84) 72.26,43.37 73.75,44.86 75.6,44.86 77.93,47.19 77.93,47.72 77.52,48.13 IC3.87
  Bottom w0.2: v1(72.26,42.84) 71.66,42.24 69.39,42.24 66.06,45.57 66.06,48.08 59.09,55.05 49.64,55.05 38.39,43.8 v1(38.39,27.17)
/RAM_CS: length 38.2
  Top w0.2: IC2.22 50.46,32.62 62.55,44.72 62.55,45.73 68.92,52.1 76.23,52.1 76.52,51.81 IC3.89
/RAM_WE: length 71.9
  Top w0.2: IC3.65 83.73,42.24 83.65,42.32 77.4,42.32 v1(74.51,39.44) ; IC2.29 41.57,30.57 v1(41.53,30.54)
  Bottom w0.2: v1(74.51,39.44) 74.49,39.45 70.92,39.45 61.22,49.15 61.22,50.81 57.78,54.25 49.97,54.25 43.55,47.83 43.55,32.56 v1(41.53,30.54)
/ROM_A14: length 54
  Top w0.2: IC3.78 82.02,45.55 82.03,45.55 81.57,45.09 v1(79.64,45.09) ; v1(44.65,58.4) 45.05,58.4 IC1.29
  Bottom w0.2: v1(79.64,45.09) 76.95,45.09 75.73,46.31 75.73,49.11 75.28,49.56 75.28,57.79 74.66,58.4 v1(44.65,58.4)
/ROM_A15: length 42.6
  Top w0.2: IC3.79 81.52,49.74 77.39,53.87 74.74,53.87 74.73,53.86 73.66,53.86 73.65,53.87 66.42,53.87 61.61,49.07 58.54,49.07 58.45,49.16 49.01,49.16 48.37,49.79 IC1.3
/ROM_A16: length 52.5
  Top w0.2: IC3.80 81.02,46.25 v1(81.11,46.16) ; v1(76.2,55.01) 75.31,55.01 74.56,54.26 73.83,54.26 73.81,54.27 66.25,54.27 62.66,50.68 58.46,50.68 58.17,50.39 56.7,50.39 55.86,49.56 49.17,49.56 47.67,51.06 IC1.2
  Bottom w0.2: v1(81.11,46.16) 79.72,46.16 79.11,45.55 77.35,45.55 76.13,46.78 76.13,49.28 75.68,49.73 75.68,54.49 v1(76.2,55.01)
/ROM_CS: length 37.5
  Top w0.2: IC3.77 82.52,49.68 75.98,56.22 64.02,56.22 60.84,53.04 59.12,53.04 58.71,53.45 58.71,56.29 56.07,58.93 55.38,58.93 54.44,58 IC1.22
/ROM_WE: length 44.3
  Top w0.2: v1(46.01,54.92) 43.84,54.92 IC1.31 ; IC3.76 83.02,49.8 76.09,56.73 63.54,56.73 v1(62.78,55.96)
  Bottom w0.2: v1(62.78,55.96) 62.09,56.65 47.75,56.65 v1(46.01,54.92)
/SD_CD0: length 49.2
  Top w0.2: IC3.10 v1(61.76,42.74) ; v1(58.07,46.61) 56.87,47.81 47,47.81 45.65,49.16 32.4,49.16 32.11,48.86 27.92,48.86 ; 27.92,48.86 27.92,48.51 26.7,47.3 R4.1 ; 27.92,48.86 J2.9
  Bottom w0.2: v1(61.76,42.74) 58.07,46.42 v1(58.07,46.61)
/SD_CS0: length 56.5
  Top w0.2: v1(73.49,47.55) 73.99,47.55 74.52,48.08 IC3.93
  Bottom w0.2: v1(73.49,47.55) 73.31,47.73 71.39,47.73 68.22,44.57 67.63,44.57 66.56,45.63 66.56,48.14 59.25,55.45 49.47,55.45 33.93,39.91 R1.2
/SD_MISO: length 57.8
  Top w0.2: IC3.4 68.57,45.74 67.78,46.53 v1(67.49,46.53) ; v1(25.72,51.05) J2.7
  Bottom w0.2: v1(67.49,46.53) 67.49,47.79 59.43,55.85 49.3,55.85 43.74,50.29 26.48,50.29 v1(25.72,51.05) 23.66,51.05 22.37,52.34 U1.6
/SD_MOSI: length 62.9
  Top w0.2: IC3.7 72.5,44.24 v1(74.3,46.03)
  Bottom w0.2: R3.2 70.19,57.59 74.3,53.48 v1(74.3,46.03)
/SD_SCLK: length 59.8
  Top w0.2: v1(67.93,45.27) 68.47,44.74 IC3.6
  Bottom w0.2: R2.2 23.47,56.3 23.47,52.45 23.58,52.34 30.37,52.34 31.25,53.22 45.54,53.22 48.57,56.25 59.67,56.25 68.25,47.67 68.25,45.58 v1(67.93,45.27)
Net-(BUS1-SW1): length 14.1
  Top w0.2: MSX BUS.46 30.2,11.77 32.74,11.77 MSX BUS.44
Net-(IC3-PB00_16/GCK1): length 8.2
  Top w0.2: X1.3 68.16,31.68 70.57,34.09 70.57,36.29 70.13,36.74 IC3.22
Net-(IC3-TCK): length 31.8
  Top w0.2: v1(82.6,36.11) 82.6,34.94 82.02,34.36 IC3.48
  Bottom w0.2: v1(82.6,36.11) 83.45,36.96 83.45,50.14 92.77,59.46 93.06,59.46 JT1.1
Net-(IC3-TDI): length 24.2
  Top w0.2: IC3.45 80.52,34.82 v1(80.41,34.94)
  Bottom w0.2: JT1.9 93.06,49.3 84.73,40.97 84.73,36.69 82.28,34.24 81.1,34.24 v1(80.41,34.94)
Net-(IC3-TDO): length 27.5
  Top w0.2: IC3.83 79.52,48.13 80.17,47.48 v1(80.32,47.48)
  Bottom w0.2: JT1.3 94.21,59.22 94.21,61.63 94.07,61.76 91.91,61.76 83.05,52.9 83.05,49.92 80.61,47.48 v1(80.32,47.48)
Net-(IC3-TMS): length 27.4
  Top w0.2: IC3.47 81.52,34.93 v1(81.51,34.94)
  Bottom w0.2: JT1.5 93.06,54.38 92.82,54.38 83.93,45.49 83.93,36.45 82.42,34.94 v1(81.51,34.94)
Net-(J1-Pin_1): length 31
  Bottom w0.2: J1.1 4.66,58.65 4.66,58.36 5.52,57.5 7.98,57.5 11.16,54.32 11.16,52.82 13.34,50.64 18.78,50.64 24.28,45.14 U1.12
Net-(J1-Pin_3): length 29.6
  Bottom w0.2: U1.11 22.85,47.14 17.27,52.72 17.27,55.83 13.26,59.84 8.09,59.84 7.2,58.94 7.2,58.65 J1.3
Net-(J1-Pin_6): length 13.9
  Bottom w0.2: U1.4 18.37,55.29 12.47,61.19 J1.6
Net-(J2-CLK): length 10.3
  Top w0.2: v1(20.58,51.89) 22.34,51.89 23.52,50.71 J2.5
  Bottom w0.2: v1(20.58,51.89) 20.58,52.13 20.37,52.34 U1.5 20.37,57.58 R2.1
Net-(J2-CMD): length 16.1
  Top w0.2: J2.3 21.32,50.71 v1(21.62,51.01)
  Bottom w0.2: 24.37,57.59 23.58,58.38 21.72,58.38 21.38,58.04 21.38,51.25 v1(21.62,51.01) ; 24.37,57.59 U1.7 ; 24.37,57.59 R3.1
Net-(J2-DAT3/CD): length 29.4
  Top w0.2: v1(20.22,48.2) J2.2
  Bottom w0.2: 18.37,39.94 16.37,39.94 U1.20 ; 18.37,39.94 U1.19 ; 18.37,39.94 20.79,42.36 ; 20.79,42.36 20.79,47.63 v1(20.22,48.2) ; 20.79,42.36 24.82,42.36 29.1,38.08 R1.1
Net-(U1-IO0): length 5.5
  Bottom w0.2: U1.18 20.37,35.71 R7.1
Net-(U1-IO2): length 4.8
  Bottom w0.2: U1.17 22.37,37.34 22.39,37.32 R8.1
Net-(U1-IO15): length 4.8
  Bottom w0.2: R6.2 24.37,33.97 U1.16
Net-(U1-RESET): length 4
  Bottom w0.2: U1.1 12.37,54.94 12.33,54.98 R5.1

## Copper pours and planes (outline as drawn; the poured copper is in the pictures)
+3.3V on In2.Cu: 0.31,64.18 100.65,64.25 100.74,10.78 10.86,10.73 10.86,23.49 0.28,23.49
GND on In1.Cu: 0.34,64.21 100.68,64.28 100.77,10.81 10.89,10.76 10.89,23.52 0.31,23.52

## Text on the board
F.Silkscreen: TCK | TDO | TDI | TMS | GND | +5V | v1.1 | microSD Mapper / WiFi
